# KiCad board type-c-card_lexxpluss_2023.kicad_pcb (continued)
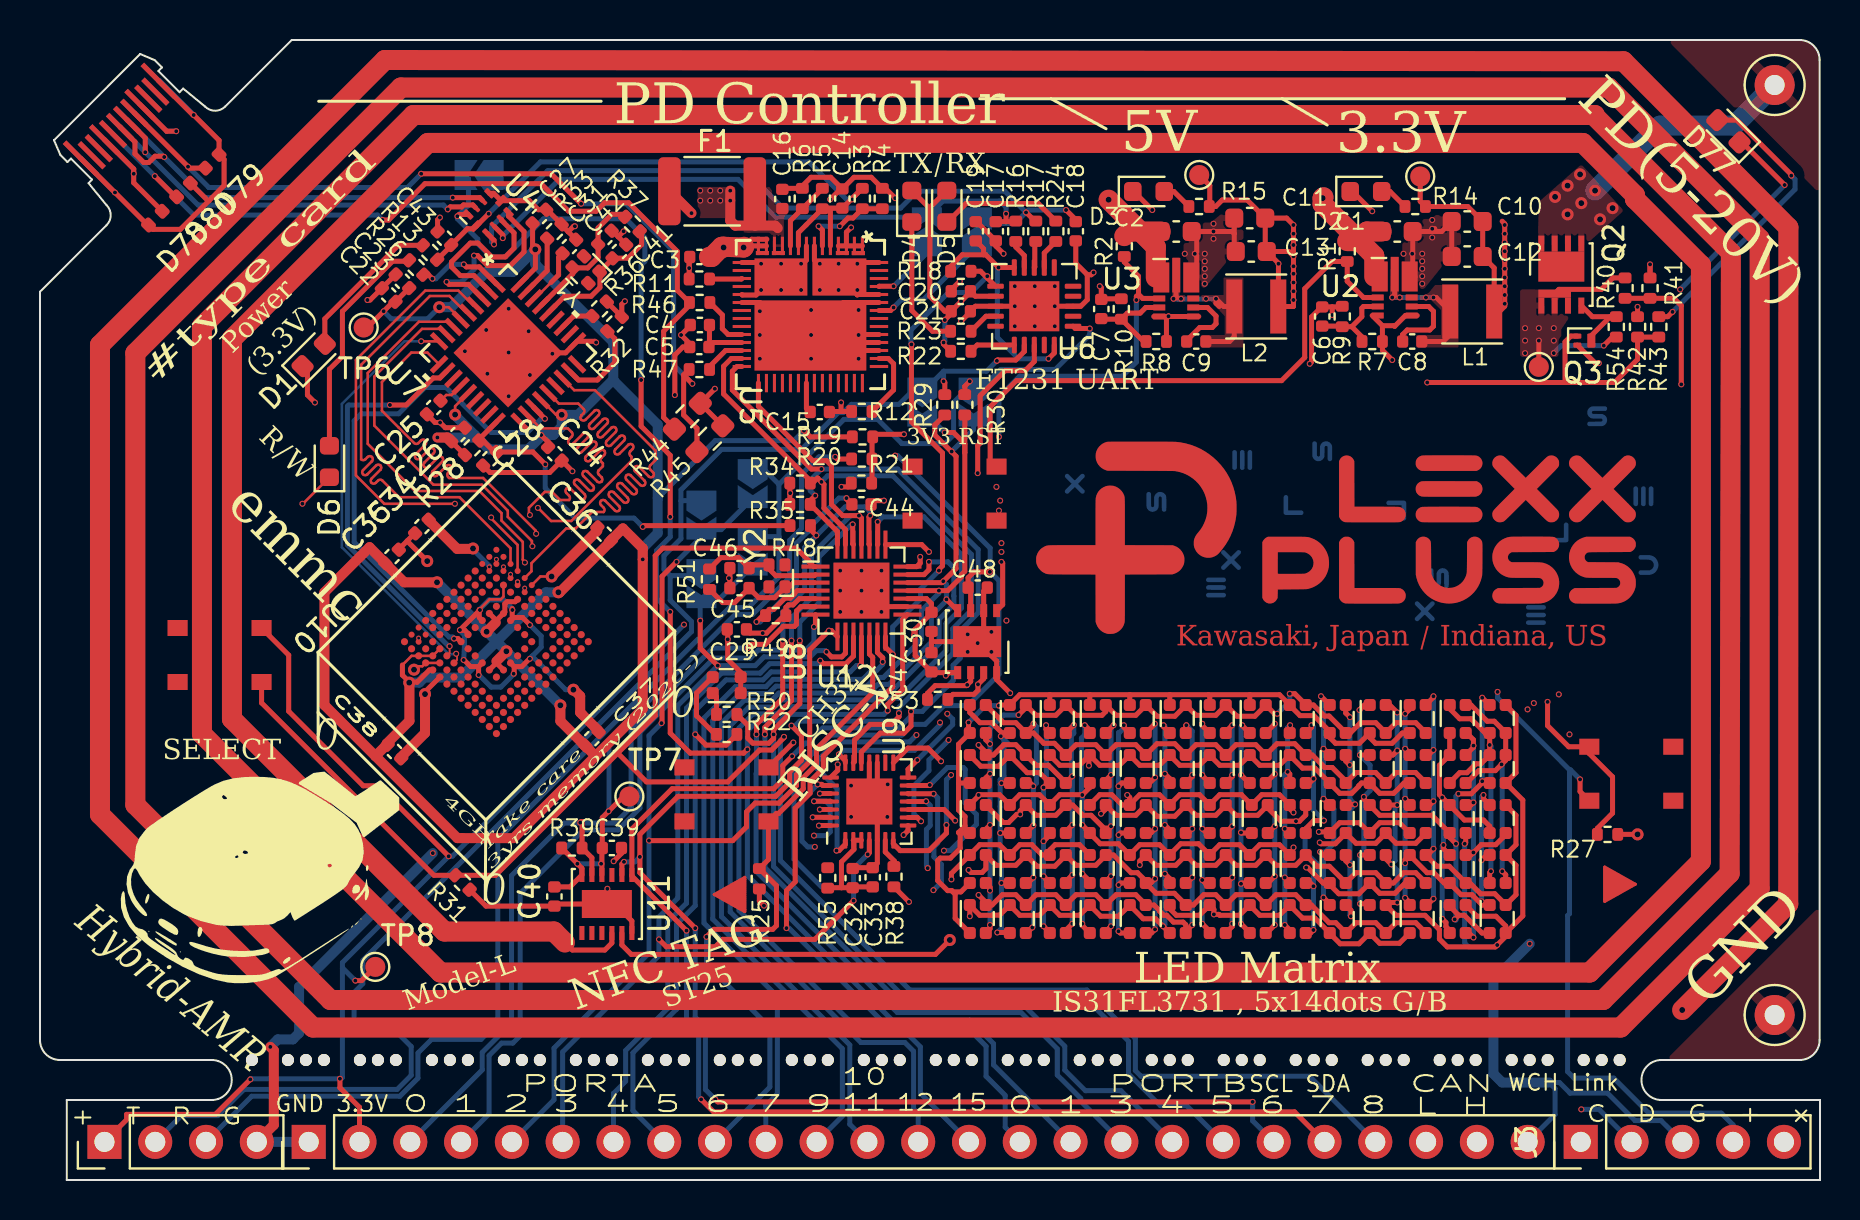
[diagram p0: board, top side]
## Routing (per net, layer and track width the routed paths; a pad name or vN(x,y) marks a point on that pad's centre or on a via; arc(x,y) is an arc through that point) (continued)
Net-(U11-AC0): length 906.6
  Top w0.25: v3(45.5,12) 44.78,11.28 29.57,11.28 29.1,11.75 U11.5 ; 26.25,11.88 26.62,11.5 28.25,11.5 28.6,11.85 U11.4
  Top w1: v3(82.12,8.5) 87.43,13.8 87.44,47.62 79.19,55.94 17.25,56 3,41.75 3,18.28 13.65,7.62 79.05,7.62 86,14.58 86,47.06 78.44,54.62 18.05,54.62 4.77,41.34 4.77,18.76 14.53,9 78.18,9 84.5,15.33 84.56,46.38 77.75,53.19 77.75,53.25 18.67,53.25 8.1,42.67 8.1,22.3 20.03,10.38 77.5,10.38 83.06,15.94 83.06,45.75 79.76,49.05 79.76,49.24 77.15,51.85 19.4,51.85 9.6,42.05 9.6,23.05 20.22,12.42 25.7,12.42 26.25,11.88
  In1.Cu w1: v3(45.5,12) 47.06,10.44 80.19,10.44 v3(82.12,8.5)
Net-(U12-NRST): length 12.5
  Top w0.25: 37.86,29.47 37.75,29.36 37.75,29.32 37.52,29.09 37.26,29.09 36.7,28.53 36.47,28.53 36.28,28.34 R49.1 36.14,28.22 v2(35.83,27.91) ; v2(40.33,34.09) 40.33,34.05 C44.2 ; U12.4 37.89,29.47
  Bottom w0.25: v2(35.83,27.91) 36.02,27.91 37.83,29.72 37.83,31.84 38.42,32.43 38.42,32.56 39.96,34.09 v2(40.33,34.09)
Net-(U12-OSC_IN/PD0): length 6.1
  Top w0.25: R51.2 34.05,31.12 34.94,31.12 C46.2 35.62,30.76 Y2.3 36.46,30.56 36.8,30.22 38.69,30.22 ; U12.2 38.73,30.22
Net-(U12-OSC_OUT/PD1): length 6.1
  Top w0.25: Y2.1 37.26,29.63 36.74,29.12 35.94,29.12 C45.1 34.74,28.87 34.14,28.87 R51.1 ; 37.48,29.66 37.69,29.87 38.74,29.87
unconnected-(U1-SBU1-PadA8): length 0
  Bottom w0.25: U1.A8 4.71,53.35

## Copper pours and planes (outline as drawn; the poured copper is in the pictures)
/3V3 on In2.Cu: 63.69,44.12 70.06,44.12 71.19,48.44 73.5,48.44 73.5,40.19 63.69,40.25
/4V5 on In2.Cu: 42.62,48.5 63.25,48.44 63.25,40.25 42.62,40.25
/VBUS on Top: 74.02,41.16 74.02,44.53 76.58,44.53 76.58,43.28 76.08,42.53 76.08,41.16
/VBUS on Top: 34.77,49.66 34.77,48.09 32.89,48.09 32.89,49.66
/VBUS on Top: 36.56,46.66 36.56,47.25 35.19,47.38 35.19,51.19 36.38,51.19 36.38,49.81 37,48.88 37.44,48.88 37.44,48.38 37.25,48.19 37.25,46.66
/VBUS on In2.Cu: 32.83,48.84 32.83,50.97 73.96,50.91 77.96,46.09 77.96,41.16 74.02,41.16 74.02,47.97 72.39,49.59 39.39,49.59 38.64,48.84
GND on Top: 57.19,44.38 57.19,47.88 58.56,47.88 59.38,48.56 60.19,48.56 60.19,45.94 59.38,45.94 58.06,44.38
GND on Top: 68.12,44.44 68.12,48.12 69.38,48.12 70.31,48.44 71.06,48.44 71.06,45.69 70.12,45.69 69.12,44.44
GND on Top, Bottom, In1.Cu, In2.Cu: 89,13.69 81.31,6 89,6
GND on Bottom: 0.52,9.28 0.52,7.41 12.58,7.41 12.58,9.28
GND on In1.Cu: 82.38,45.44 82.38,39.31 48.38,39.5 48.31,25.12 82.5,24.94 82.5,16.38 77.12,11.19 27.69,11.25 26.19,13.19 20.38,13.31 10.25,23.44 10.44,41.81 9.62,43.12 3,49.62 7.44,54 15.25,46.69 19.5,50.94 77,51
Net-(C8-Pad1) on Top: 67.56,46.12 67.5,44 69.56,44 70.06,43.5 70.06,42.25 68.81,42.25 68.81,41.62 70.94,41.62 70.94,44.75 69.75,44.75 69.31,44.25 67.94,44.25 67.94,46.12
Net-(C9-Pad1) on Top: 56.62,46.12 57,46.12 57,44.25 59.19,44.25 59.19,45.12 60.19,45.12 60.19,41.62 58.06,41.62 58.06,42.25 59.25,42.25 59.25,43.19 58.56,43.94 56.62,43.94
Net-(D78-A2) on In2.Cu: 36.31,47.06 33.46,47.06 29.71,50.91 19.69,50.88 14.38,45.56 6.69,53.12 4,50.38 12.81,41.5 20.62,49.31 29.06,49.31 32.21,46.16 36.31,46.16
Net-(Q2-D-Pad5) on Top: 74.89,46.47 74.96,48.91 77.08,50.78 79.21,48.47 77.39,46.84 77.39,46.47
Net-(Q2-D-Pad5) on Top, Bottom, In1.Cu, In2.Cu: 81.38,57 89,49.31 89,57
Net-(Q2-D-Pad5) on Bottom: 77.39,46.91 75.39,49.28 77.02,50.78 79.14,48.47
Net-(U5-DRAIN1-Pad15) on Bottom: 35.62,46.19 38.31,46.19 38.31,40.5 35.62,40.5
Net-(U5-DRAIN2-Pad52) on Bottom: 38.62,46.19 41.31,46.19 41.31,40.5 38.62,40.5

## Text on the board
B.Mask: Designed by  shujima 2023
B.Silkscreen: github.com/shujima/type-c-card
User.Drawings: #typeccard
Top: Kawasaki, Japan / Indiana, US | ▲
F.Mask: c | ▲
F.Silkscreen: GND 3.3V | SCL SDA | WCH Link | +  T  R  G | 12 15 | C  D  G  +  x | 10 / 11 | 0 1 2 3 4 5 6 7 9 | PORTA | 0 1 3 4 5 6 7 8 | PORTB | CAN | L H | O | 3V3 RST | Take care / 3yrs memory (2020-) | 4GB | R/W | SELECT | TX/RX | FT231 UART | IS31FL3731 , 5x14dots G/B | Model-L | ST25 | Power / (3.3V) | CH32 | Hybrid-AMR | LED Matrix | NFC TAG | RISC-V | #type card | PD(5-20V) | PD Controller | 5V | 3.3V | GND | emmc
